# Altium PCB IFAT6.PcbDoc (part 4 of 5) (continued)
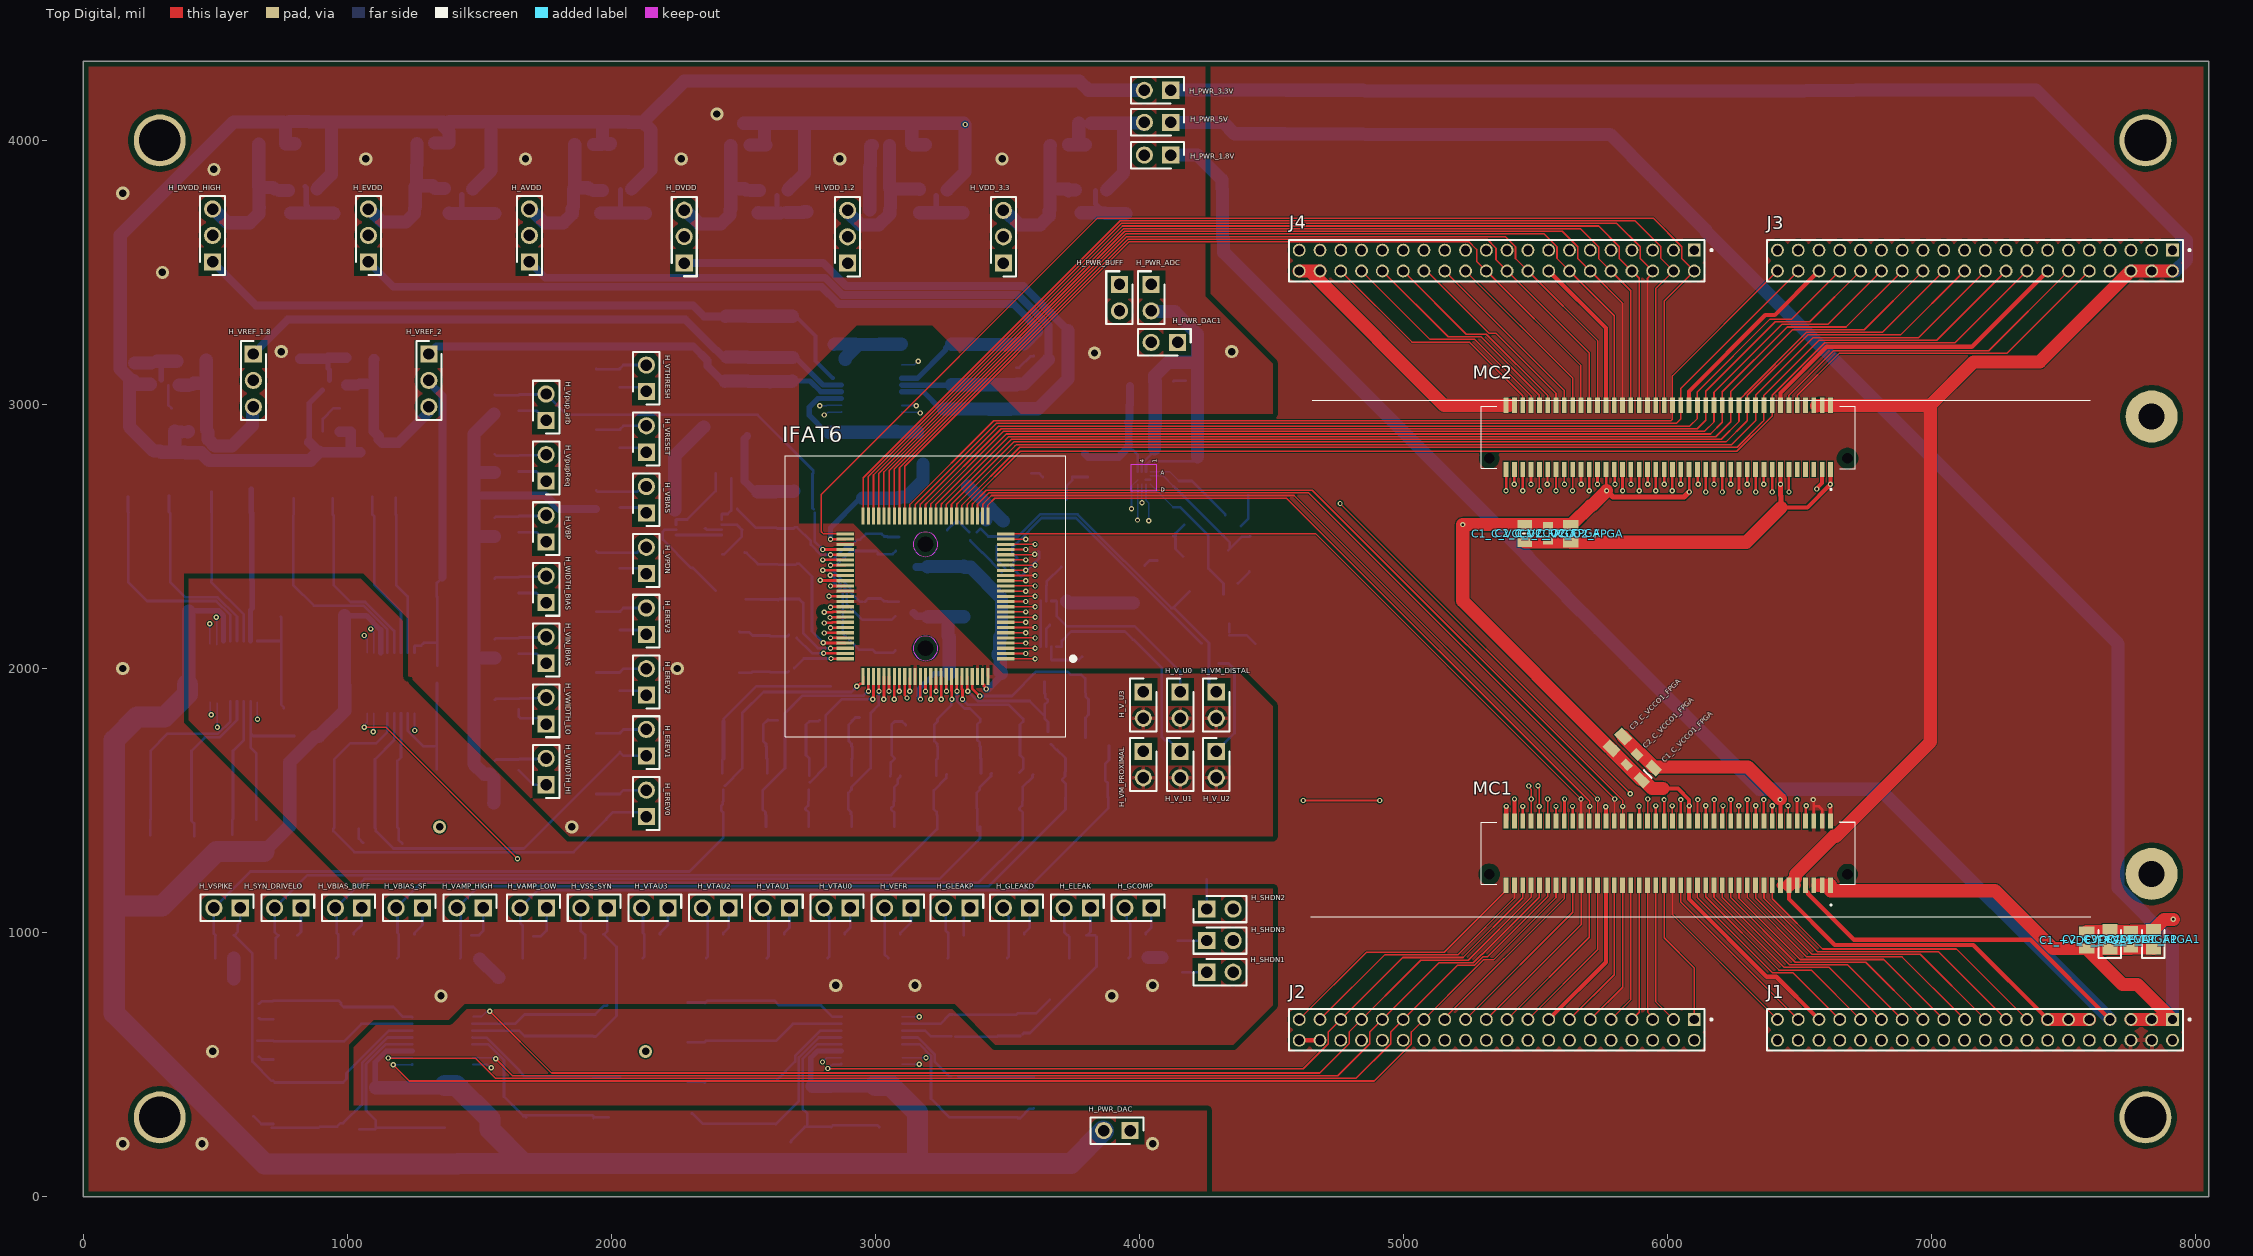
[diagram p0: Top Digital view]
## Nets (pads, with @x,y where several pads share a name; then routed paths per layer and width w, separated by ;. In a path a pad name is that pad's centre, name@x,y a point inside that pad or via, vN(x,y) a via of type N, cw(c..) or ccw(c..) an arc to the next point about the centre after c; other vN are vias at no path point) (continued)
MC1_37: J1.37 MC1.37 | length 690.7
  Top Digital w6: MC1.37@6050.51,1179.19 6050.51,1115.32 6489.78,676.05 J1.37@6495.39,676.05
MC1_38: J1.38 MC1.38 | length 1172.1
  Top Digital w10: MC1.38@6050.3,1427.64 v1@6050.3,1505.56
  Digital w6: v1@6050.41,1502.68 6050.41,1274.01 6447.59,876.83 6447.59,639.49 6492.78,594.31 J1.38@6495.39,594.31
  other v1: 6050.41,1503.56
MC1_39: J1.39 MC1.39 | length 671.1
  Top Digital w6: MC1.39@6019.02,1179.19 6019.02,1068.07 6411.04,676.05 J1.39@6416.65,676.05
MC1_40: J1.40 MC1.40 | length 1097.1
  Top Digital w6: v1@6018.41,1477.68 6018.55,1477.54 MC1.40@6018.55,1427.9
  Digital w6: v1@6018.41,1474.68 6018.41,1024.29 6416.2,626.49 J1.40@6416.2,592.14
  other v1: 6018.41,1479.56
MC1_41: J2.1 MC1.41 | length 555.8
  Top Digital w6: MC1.41@5987.52,1184.51 5987.52,980.07 6101.69,865.89 J2.1@6101.69,676.05
MC1_42: J2.2 MC1.42 | length 1061.2
  Top Digital w10: MC1.42@5987.07,1427.87 v1@5987.07,1504.34
  Digital w6: v1(5986.96,1503.56) 5986.96,1041.59 6132.63,895.92 6132.63,623.53 J2.2@6101.24,592.14
MC1_43: J2.3 MC1.43 | length 534.2
  Top Digital w6: MC1.43@5956.02,1179.19 5956.02,737.36 6017.34,676.05 J2.3@6022.95,676.05
MC1_44: J2.4 MC1.44 | length 991.8
  Top Digital w10: MC1.44@5956.02,1427.43 5955.33,1428.13 5955.33,1476.6 v1@5956.02,1477.29
  Digital w6: v1(5954.96,1479.56) 5954.96,1059.45 6053.89,960.52 6053.89,623.53 J2.4@6022.5,592.14
MC1_45: J2.5 MC1.45 | length 516.6
  Top Digital w6: MC1.45@5924.53,1184.51 5924.53,698.87 5944.21,679.18 J2.5@5944.21,676.05
MC1_46: J2.6 MC1.46 | length 1025.5
  Top Digital w6: MC1.46@5924.2,1422.18 5924.6,1422.58 5924.6,1499.6 v1@5925,1500
  Digital w6: v1(5925,1505.68) 5925,1075.27 5975.15,1025.12 5975.15,623.53 J2.6@5943.76,592.14
MC1_47: J2.7 MC1.47 | length 519.8
  Top Digital w6: J2.7@5865.02,670.88 5892.7,698.56 MC1.47@5892.7,1179.19
MC1_48: J2.8 MC1.48 | length 951
  Top Digital w10: MC1.48@5893.03,1427.43 5892.33,1428.13 5892.33,1476.6 v1@5893.03,1477.3
  Digital w6: J2.8@5865.02,592.14 5896.41,623.53 5896.41,1469.56 5891.96,1474.02 v1(5891.96,1477.81)
MC1_49: J2.9 MC1.49 | length 536.9
  Top Digital w6: J2.9@5786.73,676.05 5791.45,676.05 5861.53,746.13 MC1.49@5861.53,1179.19
MC1_50: MC1.50
MC1_51: J2.11 MC1.51 | length 556.5
  Top Digital w6: J2.11@5707.99,676.05 5712.71,676.05 5830.04,793.38 MC1.51@5830.04,1179.19
MC1_52: IFAT6.29 J2.12 MC1.52 | length 4030.3
  Top Digital w6: IFAT6.29@3367.17,2577.5 3367.17,2622.2 3369.96,2625 3419.96,2675 4655.06,2675 5830,1500.06 v1(5830,1477.68) ; MC1.52@5829.71,1422.18 5829.85,1422.33 v1@5829.85,1477.68
  Digital w6: J2.12@5707.54,592.14 5754.89,639.5 5754.89,1024.93 5830,1100.03 v1(5830,1477.68)
MC1_53: J2.13 MC1.53 | length 576
  Top Digital w6: J2.13@5629.25,676.05 5633.97,676.05 5798.54,840.62 MC1.53@5798.54,1179.19
MC1_57: J2.17 MC1.57 | length 617.6
  Top Digital w6: J2.17@5471.32,670.88 5735.22,934.78 MC1.57@5735.22,1179.19
MC1_58: IFAT6.27 J2.18 MC1.58 | length 3967.4
  Top Digital w6: IFAT6.27@3406.54,2577.5 3406.54,2621.57 3409.96,2625 3439.96,2655 4585.68,2655 v1(5735,1505.68) ; v1@5735,1505 5735.11,1504.89 5735.11,1422.29 MC1.58@5735.22,1422.18
  Digital w6: J2.18@5471.32,592.14 5518.67,639.49 5518.67,968.32 5735,1184.64 v1@5735,1505
MC1_59: J2.19 MC1.59 | length 634.7
  Top Digital w6: J2.19@5393.03,676.05 5397.75,676.05 5704.05,982.36 MC1.59@5704.05,1179.19
MC1_61: J2.21 MC1.61 | length 659.6
  Top Digital w6: J2.21@5314.29,676.05 5319.01,676.05 5672.56,1029.6 MC1.61@5672.56,1184.51
MC1_63: J2.23 MC1.63 | length 679.2
  Top Digital w6: J2.23@5235.55,676.05 5240.27,676.05 5641.06,1076.84 MC1.63@5641.06,1184.51
MC1_65: J2.25 MC1.65 | length 696
  Top Digital w6: J2.25@5156.81,676.05 5609.57,1128.81 MC1.65@5609.57,1184.51
MC1_77: J2.37 MC1.77 | length 978.4
  Top Digital w6: J2.37@4684.37,676.05 4689.09,676.05 4928.45,915.41 5205.41,915.41 5420.59,1130.59 5420.59,1141.69 MC1.77@5420.59,1184.51
MC1_79: J2.39 MC1.79 | length 1008.4
  Top Digital w6: J2.39@4605.63,676.05 4610.35,676.05 4859.71,925.41 5154.49,925.41 5389.09,1160.01 MC1.79@5389.09,1184.51
MC2_10: J3.10 MC2.10 | length 1342.9
  Top Digital w6: MC2.10@6491.01,2990.06 6491.01,3034.49 6649.77,3193.25 7285.03,3193.25 7590.31,3498.53 J3.10@7597.31,3498.53
MC2_12: J3.12 MC2.12 | length 1291.6
  Top Digital w6: MC2.12@6459.63,2996.99 6459.63,3034.49 6628.39,3203.25 7216.29,3203.25 J3.12@7518.57,3505.53
MC2_18: IFAT6.31 J3.18 MC2.18 | length 4416.3
  Top Digital w6: IFAT6.31@3327.8,2577.5 3327.8,2618.98 3541.3,2832.49 3546.9,2838.09 6263.99,2838.09 6360.9,2935 6365.14,2939.24 6365.14,2959.48 6365.14,2990.06 MC2.18@6365.14,2996.99 6365.02,2997.1 6365.02,3034.49 6573.78,3243.25 7020.07,3243.25 7275.35,3498.53 J3.18@7282.35,3498.53
MC2_42: IFAT6.51 J4.2 MC2.42 | length 4639.9
  Top Digital w6: IFAT6.51@2885.87,2509.59 2803.28,2509.59 2795,2517.86 2795,2659.04 3841.62,3705.66 5945.51,3705.66 6053.89,3597.27 6053.89,3552.88 J4.2@6101.24,3505.53 5987.19,3391.47 MC2.42@5987.19,2996.99
MC2_46: IFAT6.49 J4.6 MC2.46 | length 4134.4
  Top Digital w6: IFAT6.49@2973.46,2577.5 2973.46,2727.46 3931.66,3685.66 5808.03,3685.66 5896.41,3597.27 5896.41,3552.88 J4.6@5943.76,3505.53 5943.76,3497.45 5924.2,3477.88 MC2.46@5924.2,2996.99
MC2_48: IFAT6.48 J4.8 MC2.48 | length 4034.3
  Top Digital w6: IFAT6.48@2993.15,2577.5 2993.15,2733 3935.81,3675.66 5739.29,3675.66 5817.67,3597.27 5817.67,3552.88 5892.7,3477.85 MC2.48@5892.7,2996.99
MC2_50: IFAT6.47 J4.10 MC2.50 | length 3950.4
  Top Digital w6: IFAT6.47@3012.83,2577.5 3012.83,2738.55 3939.95,3665.66 5670.54,3665.66 5738.93,3597.27 5738.93,3552.88 5861.2,3430.61 MC2.50@5861.2,2996.99
MC2_77: J4.37 MC2.77 | length 1234.3
  Top Digital w10: v1(5419.96,2697.51) 5420.11,2697.66 MC2.77@5420.11,2747.12
  Digital w6: J4.37@4683.92,3584.27 4731.27,3536.92 4731.27,3459.27 5419.96,2770.58 v1@5419.96,2704.51
MC2_79: J4.39 MC2.79 | length 1309.1
  Top Digital w10: v1(5388.58,2673.34) 5388.67,2673.35 5388.67,2746.74 MC2.79@5388.81,2746.88
  Digital w6: J4.39@4605.18,3584.27 4652.53,3536.92 4652.53,3409.39 v1(5388.58,2673.34)
NetADC_A1: ADC.A1 C_ADC1.1 R_ADC1.2 | length 355.1
  Bottom Analog w6: ADC.A1@4040.75,2745.75 4114.25,2745.75 4150,2710
  Bottom Analog w10: 4150,2710 4199.08,2710 4325.33,2583.75 R_ADC1.2@4325.33,2580.33
NetADC_B1: ADC.B1 C_ADC2.1 R_ADC2.2 | length 535.5
  Bottom Analog w6: ADC.B1@4040.75,2730 4090,2730 4129.37,2690.64
  Bottom Analog w10: 4129.37,2690.64 4342.58,2477.42 R_ADC2.2@4342.58,2453.86 ; R_ADC2.2@4336.06,2447.34 R_ADC2.2@4342.58,2453.86 ; C_ADC2.1@4419.54,2500.46 4418.22,2499.14 4387.86,2499.14 R_ADC2.2@4342.59,2453.86
NetADC_B2: ADC.B2 C_ADC3.1 R_ADC3.2 | length 834.8
  Analog 2 w6: v6(4025,2730) 4340,2415 v3(4340,2170)
  Bottom Analog w10: R_ADC3.2@4340,2126.1 4406.06,2126.1 4438.22,2093.94 ; R_ADC3.2@4340,2137.2 v3(4340,2170)
NetADC_B3: ADC.B3 C_ADC4.1 R_ADC4.2 | length 401.3
  Analog 2 w6: v6(4009.25,2730) 4170,2569.25 v3(4170,2545)
  Bottom Analog w10: R_ADC4.2@4128.82,2501.18 4136.47,2493.52 4136.47,2453.07 C_ADC4.1@4165.16,2424.38 ; R_ADC4.2@4136.77,2500.93 4136.77,2511.77 v3(4170,2545)
NetADC_C3: ADC.C3 C_ADC6.1 R_ADC6.1 | length 361.8
  Analog 2 w6: v3(3805,2725) 3998.5,2725 v6(4009.25,2714.25)
  Bottom Analog w10: C_ADC6.1@3723.94,2640 3723.94,2692.01 3746.1,2714.17 R_ADC6.1@3746.1,2725 v3(3805,2725)
NetADC_D1: ADC.D1 C_ADC5.1 R_ADC5.1 | length 547.7
  Bottom Analog w6: ADC.D1@4040.75,2698.5 4129.25,2610
  Bottom Analog w10: 4129.25,2610 4155,2610 4261.16,2503.84 4261.16,2378.54 R_ADC5.1@4268.81,2370.88 4318.26,2321.44 4318.26,2281.43 C_ADC5.1@4317.84,2281.01
NetBuffer1_5: Buffer1.5 Buffer1.6 H_SHDN1.1 R_SHDN1.1 | length 1852.7
  Analog 2 w10: v3(3627.02,2176.35) 3627.02,2142.98 3915,1855 3915,1811.18 3915,1520 3915,1435.2 4130,1220.2 4130,974.87 H_SHDN1.1@4255.05,849.83
  Bottom Analog w10: Buffer1.5@3626.98,2082.43 v3(3627.02,2176.35) ; v3@3626.98,2176.38 Buffer1.6@3626.98,2255.59 ; R_SHDN1.1@4162.4,850 4254.87,850 H_SHDN1.1@4255.05,849.83
NetBuffer2_5: Buffer2.5 Buffer2.6 H_SHDN2.1 R_SHDN2.1 | length 3319.9
  Analog 2 w10: v3(2331.61,2505.31) 2331.61,2533.48 2421.51,2623.38 3421.42,2623.38 3944.96,2099.83 3944.96,2061.37 3944.96,1530.04 4255.05,1219.95 H_SHDN2.1@4255.05,1089.13
  Bottom Analog w10: Buffer2.6@2245,2505.31 Buffer2.5@2418.23,2505.32 ; H_SHDN2.1@4255.05,1089.13 R_SHDN2.1@4254.98,1201.05
NetBuffer3_5: Buffer3.5 Buffer3.6 H_SHDN3.1 R_SHDN3.1 | length 2208.1
  Analog 2 w10: v3(3405,2440) 3585,2440 3929,2096 3929,2057.54 3929,1526.2 4144,1311.2 4144,1080.87 H_SHDN3.1@4255.05,969.83
  Bottom Analog w10: Buffer3.6@3358.91,2485.21 3359.35,2485.21 3404.56,2440 v3(3405,2440) 3405,2439.56 3478.56,2366 Buffer3.5@3478.56,2365.56 ; R_SHDN3.1@4145,968.34 4253.56,968.34 H_SHDN3.1@4255.05,969.83
NetC_3_AVDD_1: C_3_AVDD.1 C_4_AVDD.1 LDO_AVDD.8 R_AVDD.2 | length 258.8
  Bottom Analog w20: LDO_AVDD.8@2034.9,3813.36 2034.9,3725.54 C_4_AVDD.1@2035,3725.43
  Bottom Analog w50: C_3_AVDD.1@1960,3725.43 2035,3725.43 2128.11,3725.43 R_AVDD.2@2130,3723.54
NetC_3_DVDD_1: C_3_DVDD.1 C_4_DVDD.1 LDO_DVDD.8 R_DVDD.2 | length 229.3
  Bottom Analog w20: C_4_DVDD.1@2627.47,3727.06 LDO_DVDD.8@2627.47,3791.35
  Bottom Analog w50: C_3_DVDD.1@2556.29,3725.88 2556.84,3725.33 C_4_DVDD.1@2640.46,3725.33 ; C_4_DVDD.1@2662.11,3727.06 2727.94,3727.06 2730.85,3729.97 2740.7,3729.97 R_DVDD.2@2741.29,3730.56
NetC_3_DVDD_HIGH_1: C_3_DVDD_HIGH.1 C_4_DVDD_HIGH.1 LDO_DVDD_HIGH.8 R_DVDD_HIGH.2 | length 289.3
  Bottom Analog w20: LDO_DVDD_HIGH.8@840.65,3825 844.91,3820.74 844.91,3754.42 849.17,3750.16 849.17,3735.39 859.13,3725.43 873.9,3725.43 C_4_DVDD_HIGH.1@875,3724.33
  Bottom Analog w50: C_3_DVDD_HIGH.1@785,3725.43 859.13,3725.43 948.11,3725.43 R_DVDD_HIGH.2@950,3723.54
NetC_3_EVDD_1: C_3_EVDD.1 C_4_EVDD.1 LDO_EVDD.8 R_EVDD.2 | length 248.2
  Bottom Analog w20: LDO_EVDD.8@1433.39,3795.31 1433.39,3725.16 1435,3723.54
  Bottom Analog w50: C_3_EVDD.1@1385,3725.43 1386.89,3723.54 1435,3723.54 R_EVDD.2@1560,3723.54
NetC_3_VDD_1.2_1: C_3_VDD_1.2.1 C_4_VDD_1.2.1 LDO_VDD_1.2.8 R_VDD_1.2.2 | length 252.3
  Bottom Analog w20: LDO_VDD_1.2.8@3230.36,3791.35 3230.36,3751.35 3230.86,3750.86 3230.86,3735.16 3240.37,3725.64 3255.13,3725.64 C_4_VDD_1.2.1@3256.68,3724.09
  Bottom Analog w50: C_3_VDD_1.2.1@3166.68,3725.64 3240.37,3725.64 R_VDD_1.2.2@3332.16,3725.64
NetC_3_VDD_3.3_1: C_3_VDD_3.3.1 C_4_VDD_3.3.1 LDO_VDD_3.3.8 R_VDD_3.3.2 | length 261.8
  Bottom Analog w20: LDO_VDD_3.3.8@3834,3809.4 3834,3760.09 3844.17,3749.92 3844.17,3735.16 3853.69,3725.64 3868.45,3725.64 C_4_VDD_3.3.1@3870,3724.09
  Bottom Analog w50: C_3_VDD_3.3.1@3780,3725.64 C_4_VDD_3.3.1@3853.69,3725.64 ; C_4_VDD_3.3.1@3870,3724.09 3870.9,3723.2 R_VDD_3.3.2@3948.91,3723.2
NetC_3_VREF_1.8_1: C_3_VREF_1.8.1 C_4_VREF_1.8.1 LDO_VREF_1.8.8 R_VREF_1.8.2 | length 227
  Bottom Analog w20: C_4_VREF_1.8.1@269.37,3160.67 284.13,3160.67 295.2,3149.61 LDO_VREF_1.8.8@295.2,3092.89
  Bottom Analog w50: R_VREF_1.8.2@194.43,3156.4 194.76,3156.73 C_4_VREF_1.8.1@258.54,3156.73 ; C_4_VREF_1.8.1@280.2,3163.7 C_3_VREF_1.8.1@355.83,3163.7
NetC_3_VREF_2v_1: C_3_VREF_2v.1 C_4_VREF_2v.1 LDO_VREF_2v.8 R_VREF_2v.2 | length 279
  Bottom Analog w20: C_4_VREF_2v.1@901.58,3172.17 916.34,3172.17 927.41,3161.1 927.41,3136.93 933.2,3131.14 LDO_VREF_2v.8@933.2,3091.14
  Bottom Analog w40: R_VREF_2v.2@821.58,3173.03 904.61,3173.03 904.81,3173.23 924.57,3173.23 927.41,3176.06 C_3_VREF_2v.1@996.58,3176.06
OUTPUT_DATA0: IFAT6.46 J4.12 MC2.52 | length 3863.5
  Top Digital w6: IFAT6.46@3032.52,2577.5 3032.52,2744.09 3944.09,3655.66 5601.8,3655.66 5660.19,3597.27 5660.19,3552.88 J4.12@5707.54,3505.53 ; J4.12@5707.54,3498.53 5714.54,3498.53 5829.59,3383.48 MC2.52@5829.59,2997.1
OUTPUT_DATA1: IFAT6.45 J4.14 MC2.54 | length 3786.6
  Top Digital w6: IFAT6.45@3052.2,2577.5 3052.2,2749.63 3948.23,3645.66 5533.06,3645.66 5581.45,3597.27 5581.45,3552.88 J4.14@5628.8,3505.53 ; J4.14@5628.8,3498.53 5635.8,3498.53 5798.09,3336.24 MC2.54@5798.09,2990.06
OUTPUT_DATA2: IFAT6.44 J4.18 MC2.58 | length 3643.5
  Top Digital w6: IFAT6.44@3071.89,2577.5 3071.89,2755.17 3952.37,3635.66 5385.58,3635.66 5424.36,3596.88 5424.36,3552.49 J4.18@5471.32,3505.53 ; J4.18@5471.32,3498.53 5478.32,3498.53 5735.1,3241.75 MC2.58@5735.1,2990.06
OUTPUT_DATA3: IFAT6.43 J4.20 MC2.60 | length 3555.7
  Top Digital w6: IFAT6.43@3091.57,2577.5 3091.57,2760.72 3956.52,3625.66 5316.84,3625.66 5350.62,3591.88 5350.62,3547.49 5703.72,3194.39 MC2.60@5703.72,2996.99
OUTPUT_DATA4: IFAT6.42 J4.22 MC2.62 | length 3475.8
  Top Digital w6: IFAT6.42@3111.26,2577.5 3111.26,2766.26 3960.66,3615.66 5248.1,3615.66 5276.88,3586.88 5276.88,3542.49 J4.22@5313.84,3505.53 ; J4.22@5313.84,3498.53 5320.84,3498.53 5672.11,3147.26 MC2.62@5672.11,2990.06
OUTPUT_DATA5: IFAT6.41 J3.40 MC2.40 | length 3788.5
  Top Digital w6: IFAT6.41@3130.94,2577.5 3130.94,2620.94 3442.49,2932.49 3448.09,2938.09 6013.09,2938.09 6018.68,2943.68 MC2.40@6018.68,2996.99 ; MC2.40@6018.57,2996.99 6018.57,3107.89 6409.2,3498.53 J3.40@6416.2,3498.53
OUTPUT_DATA6: IFAT6.40 J3.38 MC2.38 | length 3821.7
  Top Digital w6: IFAT6.40@3150.63,2577.5 3150.63,2620.63 3452.49,2922.49 3458.09,2928.09 6033.09,2928.09 6050.18,2945.18 MC2.38@6050.18,2996.99 6050.18,3060.77 J3.38@6494.94,3505.53
OUTPUT_DATA7: IFAT6.39 J3.34 MC2.34 | length 3951.8
  Top Digital w6: IFAT6.39@3170.31,2577.5 3170.32,2621.57 3173.74,2625 3461.23,2912.49 3466.83,2918.09 6084.57,2918.09 6113.17,2946.69 MC2.34@6113.17,2996.99 6113.17,3048.17 6388.25,3323.25 6470.15,3323.25 J3.34@6652.42,3505.53
OUTPUT_DATA8: IFAT6.38 J3.32 MC2.32 | length 4015.6
  Top Digital w6: IFAT6.38@3190,2577.5 3190,2621.26 3193.74,2625 3471.23,2902.49 3476.83,2908.09 6113.09,2908.09 6144.67,2939.67 MC2.32@6144.67,2996.99 6144.67,3049.67 6408.25,3313.25 6538.89,3313.25 J3.32@6731.16,3505.53
OUTPUT_DATA9: IFAT6.37 J3.30 MC2.30 | length 4076.6
  Top Digital w6: IFAT6.37@3209.69,2577.5 3209.69,2622.2 3212.48,2625 3479.97,2892.49 3485.57,2898.09 6140.42,2898.09 6176.16,2933.84 MC2.30@6176.16,2996.99 6176.16,3046.16 6433.25,3303.25 6607.63,3303.25 J3.30@6809.91,3505.53
OUTPUT_DATA10: IFAT6.36 J3.28 MC2.28 | length 4137
  Top Digital w6: IFAT6.36@3229.37,2577.5 3229.37,2621.89 3232.48,2625 3489.97,2882.49 3495.57,2888.09 6163.09,2888.09 6207.66,2932.66 MC2.28@6207.66,2996.99 6207.66,3047.66 6453.25,3293.25 6676.37,3293.25 J3.28@6888.65,3505.53
OUTPUT_DATA11: IFAT6.35 J3.26 MC2.26 | length 4195.9
  Top Digital w6: IFAT6.35@3249.06,2577.5 3249.06,2621.57 3252.48,2625 3499.97,2872.49 3505.57,2878.09 6183.09,2878.09 6239.16,2934.16 MC2.26@6239.16,2996.99 6239.16,3049.16 6473.25,3283.25 6745.11,3283.25 J3.26@6967.39,3505.53
OUTPUT_DATA12: IFAT6.34 J3.24 MC2.24 | length 4235.2
  Top Digital w6: IFAT6.34@3268.74,2577.5 3268.74,2621.26 3272.48,2625 3509.97,2862.49 3515.57,2868.09 6203.09,2868.09 6270.65,2935.65 MC2.24@6270.65,2996.99 6270.65,3016.49 6292.03,3037.87 6292.03,3038.63 6526.65,3273.25 6813.85,3273.25 J3.24@7046.13,3505.53
OUTPUT_DATA13: IFAT6.33 J3.22 MC2.22 | length 4300.4
  Top Digital w6: IFAT6.33@3288.43,2577.5 3288.43,2622.2 3291.22,2625 3518.71,2852.49 3524.31,2858.09 6221.23,2858.09 6298.03,2934.88 6302.27,2939.12 6302.27,2990.06 6302.27,2996.87 MC2.22@6302.15,2996.99 ; MC2.22@6302.03,2996.87 6302.03,3034.49 6530.79,3263.25 6882.59,3263.25 7117.87,3498.53 J3.22@7124.87,3498.53
SYNAPSE_DRIVE_LOW: C1_SYN_DR_LO.1 C2_SYN_DR_LO.2 C3_SYN_DR_LO.2 C_SYN_DRIVELO.2 H_SYN_DRIVELO.2 IFAT6.81 R_SYN_DRIVELO.2 | length 3527.4
  Top Digital w10: v2(3051.67,1913.37) 3051.94,1913.63 3051.94,1968.97 IFAT6.81@3052.2,1969.23
  Analog 2 w10: v2(3051.67,1913.37) 3051.67,1816.69 v3(3270,1598.37)
  Bottom Analog w10: C_SYN_DRIVELO.2@729.57,903.37 729.57,979.72 R_SYN_DRIVELO.2@739.57,989.72 737.72,989.72 725,1002.43 H_SYN_DRIVELO.2@725,1093.37 848.83,1217.19 3059.5,1217.19 3234.31,1392.01 3234.31,1444.8 3232.07,1447.05 3232.07,1456.38 3221.71,1466.73 3221.71,1538.31 3268.09,1584.68 3268.09,1596.45 v3(3270,1598.37)
SYNAPSE_DRIVE_LOW_DAC: C1_SYN_DRLO_DAC.1 C2_SYN_DRLO_DAC.1 C3_SYN_DRLO_DAC.1 C4_SYN_DRLO_DAC.1 DAC3.7 H_SYN_DRIVELO.1 R_SYN_DRIVELO.1 | length 1296.3
  Analog 2 w10: v4(660,590) 825,755 H_SYN_DRIVELO.1@825,1093.37
  Bottom Analog w10: v4(660,590) 719.97,590 721.82,588.15 987.64,588.15 1053.46,653.98 DAC3.7@1245.83,653.98 ; R_SYN_DRIVELO.1@810.43,989.72 812.28,989.72 825,1002.43 H_SYN_DRIVELO.1@825,1093.37
SYS_CLK_MC1: J1.8 MC1.8 | length 1590.5
  Top Digital w10: MC1.8@6522.95,1427.43 6523.81,1428.29 6523.81,1475.38 v1@6525,1475.38
  Digital w6: v1@6526.52,1475.43 6529.57,1475.43 6717.31,1287.69 7024.9,1287.69 7628.7,683.89 7628.7,639.49 7673.88,594.31 J1.8@7676.5,594.31
  other v1: 6525,1480
SYS_CLK_MC2: J3.11 MC2.11 | length 1539.9
  Top Digital w10: MC2.11@6459.51,2747.15 6459.8,2746.87 6459.8,2668.68 v1(6459.96,2668.51)
  Digital w6: v1@6459.96,2675.51 6852.04,3067.59 7046.28,3067.59 7471.22,3492.53 7471.22,3536.92 J3.11@7518.57,3584.27
V_EREV0_DAC: C1_V_EREV0_DAC.1 C2_V_EREV0_DAC.1 C3_V_EREV0_DAC.1 C4_V_EREV0_DAC.1 DAC4.13 H_EREV0.1 R_EREV0.1 | length 1878.7
  Bottom Analog w10: DAC4.13@1152.2,1830.83 1152.2,1760.17 1108.89,1716.86 1011.38,1716.86 950.43,1655.91 950.43,1396.57 C3_V_EREV0_DAC.1@947.28,1393.43 947.28,1383.98 1027.04,1304.22 1857.18,1304.22 1980.34,1427.38 1980.34,1430.34 2005.71,1455.71 2116.26,1455.71 H_EREV0.1@2132.79,1439.17
V_EREV1_DAC: C1_V_EREV1_DAC.1 C2_V_EREV1_DAC.1 C3_V_EREV1_DAC.1 C4_V_EREV1_DAC.1 DAC4.12 H_EREV1.1 R_EREV1.1 | length 1689.2
  Bottom Analog w10: DAC4.12@1177.8,1830.83 1177.8,1728.27 1105.43,1655.91 1105.43,1396.65 C3_V_EREV1_DAC.1@1108.66,1393.43 1108.66,1383.98 1174.42,1318.22 1669.24,1318.22 2032.79,1681.77 R_EREV1.1@2032.79,1683.74 2032.79,1681.89 2045.51,1669.17 H_EREV1.1@2132.79,1669.17
V_EREV2_DAC: C1_V_EREV2_DAC.1 C2_V_EREV2_DAC.1 C3_V_EREV2_DAC.1 C4_V_EREV2_DAC.1 DAC4.11 H_EREV2.1 R_EREV2.1 | length 1792.9
  Analog 2 w10: v3(1209,1337.22) 1608.61,1337.22 2128.95,1857.55 2128.95,1895.33 H_EREV2.1@2132.79,1899.17
  Bottom Analog w10: DAC4.11@1203.39,1830.83 1203.39,1663.82 C4_V_EREV2_DAC.1@1189.57,1650 1189.57,1398.94 1195,1393.5 1195,1351.22 v3(1209,1337.22) ; R_EREV2.1@2032.79,1915.71 2116.26,1915.71 H_EREV2.1@2132.79,1899.17
V_EREV3_DAC: C1_V_EREV3_DAC.1 C2_V_EREV3_DAC.1 C3_V_EREV3_DAC.1 C4_V_EREV3_DAC.1 DAC4.10 H_EREV3.1 R_EREV3.1 | length 1501.6
  Analog 2 w10: v3@1342.09,1945 1756.39,1945 1940.57,2129.17 H_EREV3.1@2132.79,2129.17
  Bottom Analog w10: DAC4.10@1228.98,1830.83 1228.98,1764.59 1288.42,1705.14 1339.42,1705.14 C2_V_EREV3_DAC.1@1339.57,1705 ; C1_V_EREV3_DAC.1@1339.57,1618.94 C2_V_EREV3_DAC.1@1339.57,1705 ; v3(1340,1945) 1340,1875.43 1339.57,1875 C2_V_EREV3_DAC.1@1339.57,1705 ; R_EREV3.1@2032.79,2145.71 2116.26,2145.71 H_EREV3.1@2132.79,2129.17
V_TAU0: C1_V_TAU0.1 C2_V_TAU0.2 C3_V_TAU0.2 C_VTAU0.2 H_VTAU0.2 IFAT6.92 R_VTAU0.1 | length 1361.4
  Top Digital w10: IFAT6.92@3268.74,1969.23 3269.06,1968.92 3269.06,1914.31 v2(3269.37,1914)
  Analog 1 w10: v4(3115.57,1785.37) 3178.87,1785.37 3269.37,1875.87 v2(3269.37,1914)
  Analog 2 w10: H_VTAU0.2@2805,1093.37 2805,1341.34 v3(3056,1592.34)
  Bottom Analog w10: H_VTAU0.2@2805,1093.37 2805,1078.49 2825.47,1058.02 2825.47,909.27 C_VTAU0.2@2819.57,903.37 ; v3(3056,1592.34) 3056,1595.05 3059.02,1598.07 3059.02,1644.35 C3_V_TAU0.2@3074.1,1659.43 3061.5,1672.03 3061.5,1787.42 C1_V_TAU0.1@3073.51,1799.43 3073.57,1799.37 3101.57,1799.37 v4(3115.57,1785.37)
V_TAU0_DAC: C1_VTAU0_DAC.1 C2_VTAU0_DAC.1 C3_VTAU0_DAC.1 C4_VTAU0_DAC.1 DAC2.7 H_VTAU0.1 R_VTAU0.2 | length 1542.8
  Analog 1 w10: v4(2290,585) 2396.63,585 H_VTAU0.1@2905,1093.37
  Bottom Analog w10: v4(2290,585) 2354.01,585 2358.94,589.93 2623.41,589.93 2687.46,653.98 DAC2.7@2870.14,653.98 ; R_VTAU0.2@2884.53,993.37 2884.53,998.29 2905,1018.76 H_VTAU0.1@2905,1093.37
V_TAU1: C1_V_TAU1.1 C2_V_TAU1.2 C3_V_TAU1.2 C_VTAU1.2 H_VTAU1.2 IFAT6.91 R_VTAU1.1 | length 1521.5
  Top Digital w10: IFAT6.91@3249.06,1969.23 3249.53,1968.76 3249.53,1883.84 v2(3250,1883.37)
  Analog 1 w10: v4(2940,1814.37) 3187.67,1814.37 3248.09,1874.78 3248.09,1881.45 v2(3250,1883.37)
  Analog 2 w10: H_VTAU1.2@2575,1093.37 2575,1258.37 v3(2910,1593.37)
  Bottom Analog w10: H_VTAU1.2@2575,1093.37 2575,1078.49 2595.47,1058.02 2595.47,909.27 C_VTAU1.2@2589.57,903.37 ; v3(2910,1593.37) 2910,1657.39 C3_V_TAU1.2@2912.03,1659.43 2912.03,1703.37 2909.79,1705.61 2909.79,1714.94 2899.44,1725.3 2899.44,1787.42 C1_V_TAU1.1@2911.44,1799.43 2911.44,1801.45 2924.36,1814.37 v4(2940,1814.37)
V_TAU1_DAC: C1_VTAU1_DAC.1 C2_VTAU1_DAC.1 C3_VTAU1_DAC.1 C4_VTAU1_DAC.1 DAC2.6 H_VTAU1.1 R_VTAU1.2 | length 1601.5
  Analog 2 w10: v3(2290,435) 2469.72,614.72 2469.72,888.08 H_VTAU1.1@2675,1093.37
  Bottom Analog w10: v3(2290,435) 2350.71,435 C3_VTAU1_DAC.1@2353.43,432.28 2359.37,438.23 2623.41,438.23 2696.55,511.38 2696.55,533.02 2791.92,628.39 DAC2.6@2870.14,628.39 ; R_VTAU1.2@2654.53,993.37 2654.53,998.29 2675,1018.76 H_VTAU1.1@2675,1093.37
V_TAU2: C1_V_TAU2.1 C2_V_TAU2.2 C3_V_TAU2.2 C_VTAU2.2 H_VTAU2.2 IFAT6.90 R_VTAU2.1 | length 1690.5
  Top Digital w10: IFAT6.90@3229.37,1969.23 3229.69,1968.92 3229.69,1913.68 v2(3230,1913.37)
  Analog 1 w10: v4(2790,1803.37) 2827.02,1840.39 3193.89,1840.39 3230,1876.5 v2(3230,1913.37)
  Analog 2 w10: H_VTAU2.2@2345,1093.37 2345,1188.37 v3(2750,1593.37)
  Bottom Analog w10: H_VTAU2.2@2345,1093.37 2345,1078.49 2365.47,1058.02 2365.47,909.27 C_VTAU2.2@2359.57,903.37 ; v3(2750,1593.37) C3_V_TAU2.2@2749.97,1659.43 2737.37,1672.03 2737.37,1787.42 2750,1800.05 2783.98,1800.05 2787.29,1803.37 v4(2790,1803.37)
V_TAU2_DAC: C1_VTAU2_DAC.1 C2_VTAU2_DAC.1 C3_VTAU2_DAC.1 C4_VTAU2_DAC.1 DAC2.5 H_VTAU2.1 R_VTAU2.2 | length 1787.3
  Analog 2 w10: v3(2305,315) 2271,349 2271,919.37 H_VTAU2.1@2445,1093.37
  Bottom Analog w10: v3(2305,315) 2307.13,315 2346.14,275.99 2622.34,275.99 2623.41,274.93 2710.55,362.07 2710.55,527.22 2786.13,602.8 DAC2.5@2870.14,602.8 ; R_VTAU2.2@2424.53,993.37 2424.53,998.29 2445,1018.76 H_VTAU2.1@2445,1093.37
V_TAU3: C1_V_TAU3.1 C2_V_TAU3.2 C3_V_TAU3.2 C_VTAU3.2 H_VTAU3.2 IFAT6.89 R_VTAU3.1 | length 1837.3
  Top Digital w10: IFAT6.89@3209.69,1969.23 3209.84,1969.07 3209.84,1883.52 v2(3210,1883.37)
  Analog 1 w10: v4(2630,1803.37) 2681.02,1854.39 3181.02,1854.39 v2(3210,1883.37)
  Analog 2 w10: H_VTAU3.2@2127.14,1111.32 2132.95,1111.32 2590,1568.37 v3(2590,1603.37)
  Bottom Analog w10: H_VTAU3.2@2115,1093.37 2120.24,1088.13 2120.24,998.6 R_VTAU3.1@2125.47,993.37 2125.47,909.27 C_VTAU3.2@2119.57,903.37 ; v3(2590,1603.37) 2590,1657.33 C3_V_TAU3.2@2587.9,1659.43 2587.9,1703.37 2585.66,1705.61 2585.66,1714.94 2575.3,1725.3 2575.3,1788.44 2592.78,1805.93 2595.34,1803.37 v4(2630,1803.37)
V_TAU3_DAC: C1_VTAU3_DAC.1 C2_VTAU3_DAC.1 C3_VTAU3_DAC.1 C4_VTAU3_DAC.1 DAC2.4 H_VTAU3.1 R_VTAU3.2 | length 2164.1
  Analog 2 w10: H_VTAU3.1@2215,1093.37 2215,378.13 2386.19,206.94 v3(2680,206.94)
  Bottom Analog w10: R_VTAU3.2@2184.53,993.37 2184.53,998.29 2215,1028.76 H_VTAU3.1@2215,1093.37 ; v3(2680,206.94) 2681.91,208.86 2681.91,212.65 2733.69,264.43 C1_VTAU3_DAC.1@2742.54,264.43 ; DAC2.4@2870.14,577.2 2780.33,577.2 2724.55,521.42 2724.55,331.83 2742.54,313.84 C1_VTAU3_DAC.1@2742.54,264.43 ; C2_VTAU3_DAC.1@3015.04,263.36 3008.19,270.21 2839.39,270.21 C4_VTAU3_DAC.1@2832.54,263.36 2831.48,264.43 C1_VTAU3_DAC.1@2742.54,264.43
V_U_PROBE0: Buffer1.7 IFAT6.70 R_V_U0.1 | length 1148.7
  Top Digital w10: v2(2805.99,2134.22) 2806.67,2134.89 2885.19,2134.89 IFAT6.70@2885.87,2135.57
  Analog 2 w10: v2(2805.99,2134.22) 2806.57,2134.8 3468.49,2134.8 v3(3646.68,2312.99)
  Bottom Analog w10: Buffer1.7@3646.66,2255.65 v3(3646.68,2312.99) 3648.59,2314.9 3648.59,2329.28 R_V_U0.1@3704.49,2385.18
V_U_PROBE0_BUFF: Buffer1.8 Buffer1.9 H_V_U0.1 R_ADC1.1 | length 1396.7
  Analog 1 w10: v4(3981.81,2160.46) 4005.46,2160.46 v4(4384.91,2539.91)
  Bottom Analog w10: Buffer1.8@3666.32,2255.63 Buffer1.9@3686.01,2255.63 3686.91,2254.72 3686.91,2198.09 3724.54,2160.46 v4(3981.81,2160.46) 4154.22,1988.06 H_V_U0.1@4154.22,1911.39 ; v4(4384.91,2539.91) 4412.33,2567.33 R_ADC1.1@4412.33,2656.45
V_U_PROBE1: Buffer1.3 IFAT6.71 R_V_U1.1 | length 1131.6
  Top Digital w10: v2(2830,2115.8) v2(2830,2115.8) 2885.82,2115.84 IFAT6.71@2885.87,2115.89
  Analog 2 w10: v2(2830,2115.8) 2953.25,1992.55 3627.12,1992.55 v3(3666.94,2032.37)
  Bottom Analog w10: Buffer1.3@3666.32,2082.4 3666.63,2082.09 3666.63,2032.68 v3(3666.94,2032.37) 3769.97,2032.37 R_V_U1.1@3782.6,2045
V_U_PROBE1_BUFF: Buffer1.1 Buffer1.2 H_V_U1.1 R_ADC2.1 | length 1388.8
  Analog 1 w10: v4(3975.82,2109.29) 3999.29,2109.29 4212.42,2322.42 4372.42,2322.42 v4@4372.89,2322.89
  Bottom Analog w10: Buffer1.2@3686.01,2082.4 Buffer1.1@3705.69,2082.4 3706.6,2083.3 3706.6,2104.96 3741.64,2140 3945.12,2140 v4(3975.82,2109.29) 3978.5,2109.29 4085,2002.79 4085,1740.37 4097.6,1727.77 4112.6,1727.77 4139.22,1701.15 H_V_U1.1@4139.22,1686.15 ; v4(4373.37,2322.42) 4415.41,2364.45 R_ADC2.1@4415.41,2368
V_U_PROBE2: Buffer3.3 IFAT6.69 R_V_U2.1 | length 1046.5
  Top Digital w10: v2(2830,2153.89) 2830.68,2154.58 2885.19,2154.58 IFAT6.69@2885.87,2155.26
  Analog 2 w10: v2(2830,2153.89) 3356.77,2153.89 v3(3551.76,2348.89)
  Bottom Analog w10: Buffer3.3@3506.83,2393.39 v3@3551.33,2348.89 ; v3(3551.76,2348.89) 3621.09,2418.21 3621.09,2440.37 R_V_U2.1@3618,2443.46